# Altium PCB ECSE478 - DAQ Device.PcbDoc (part 1 of 4) (continued)
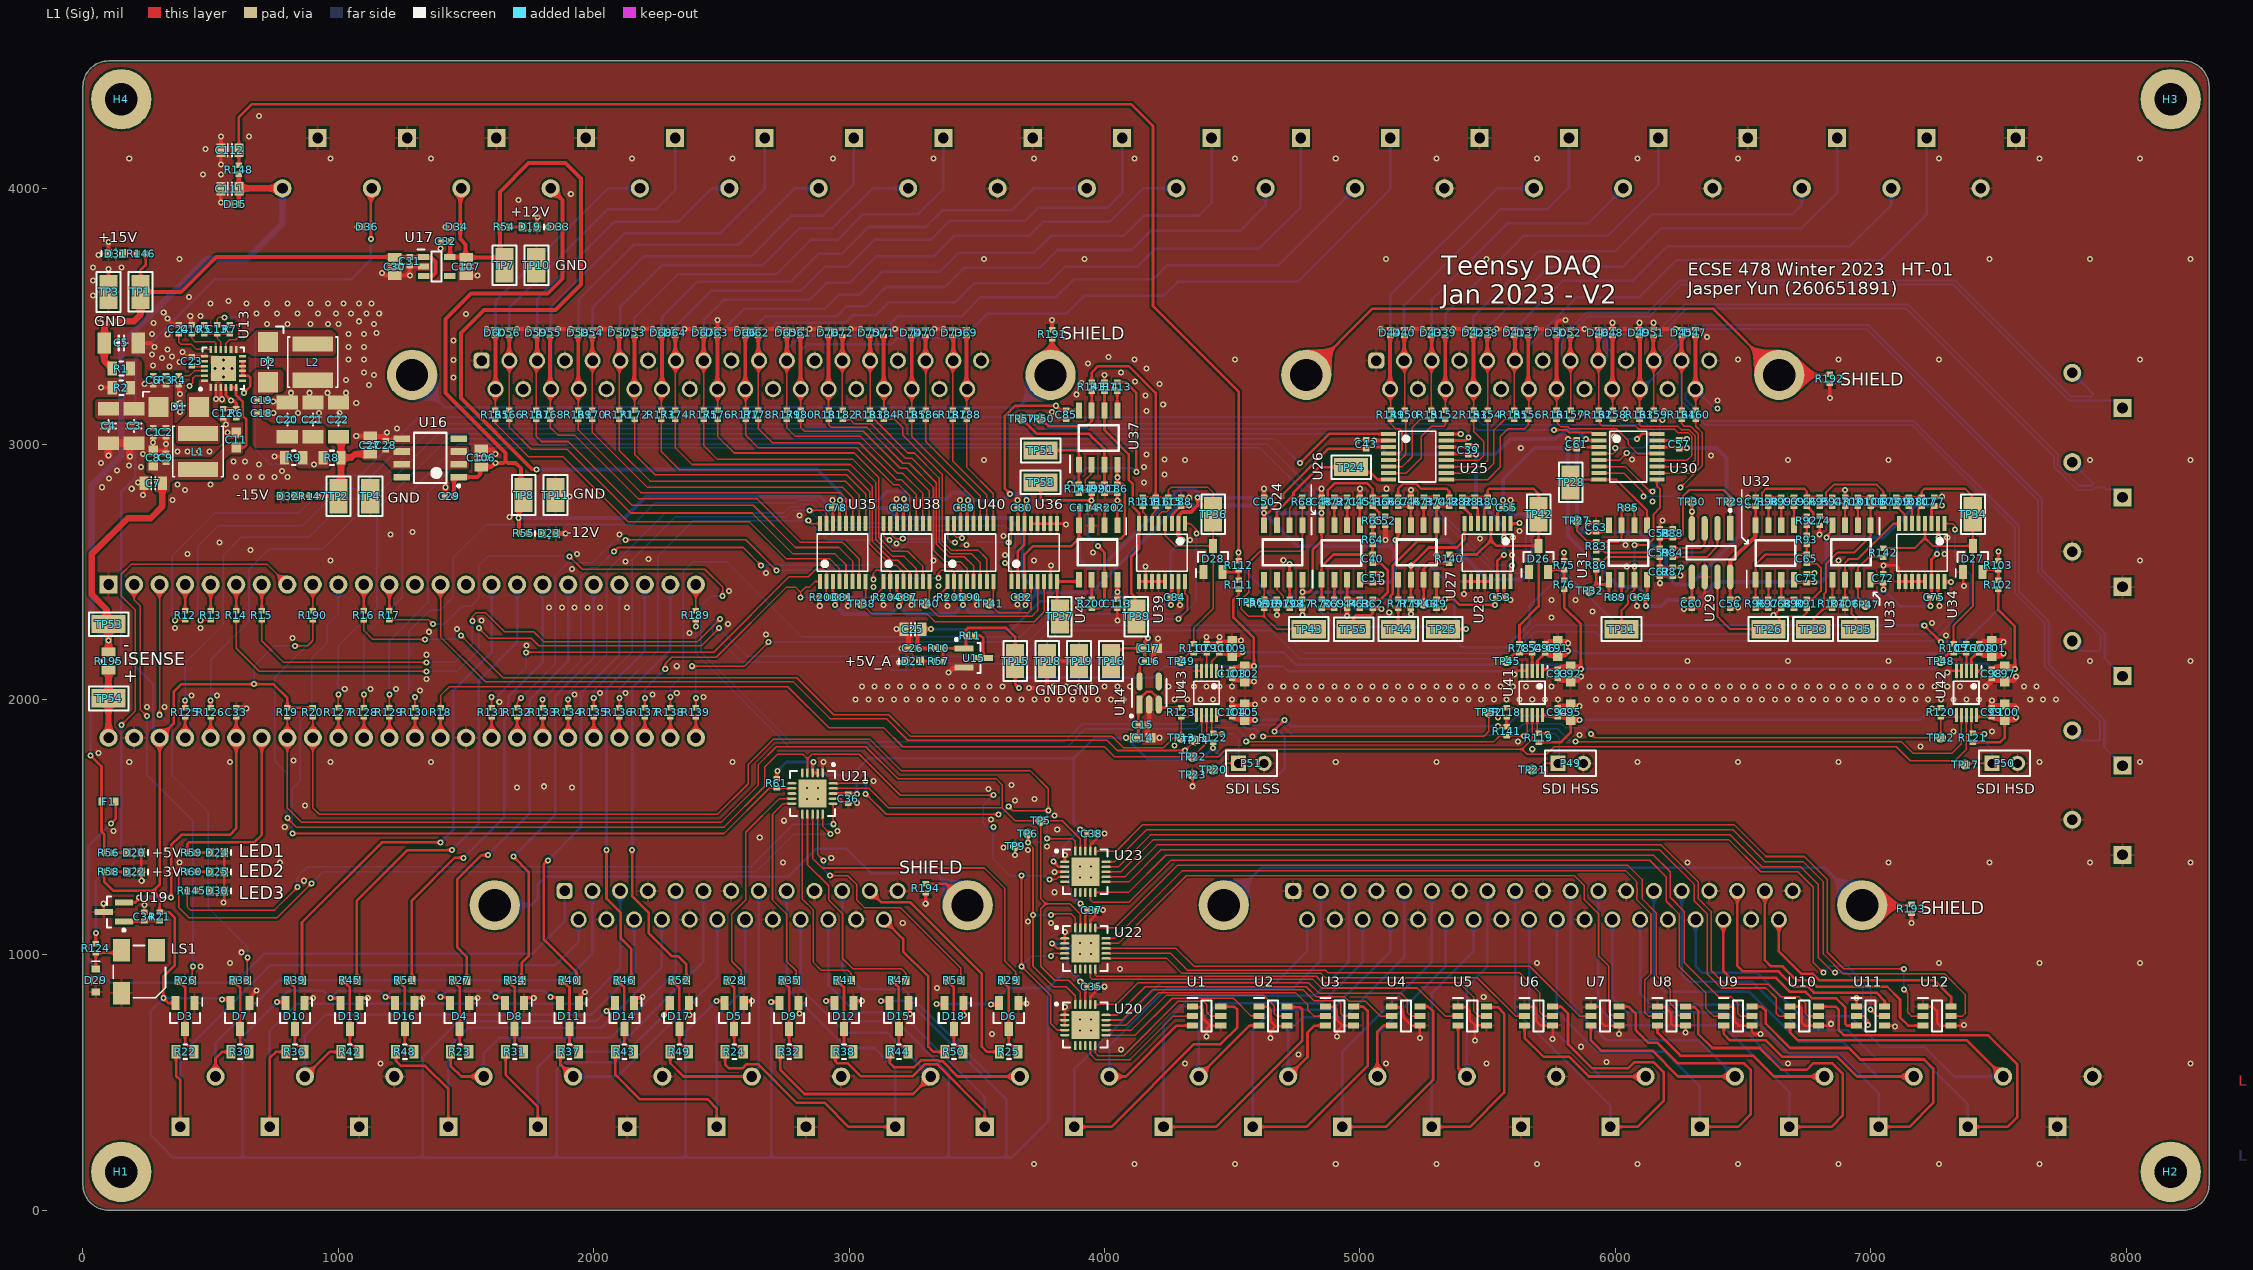
[diagram p0: L1 (Sig) view]
## Components (designator, comment, footprint, x,y, rotation, side; value= is the part's Value field where it differs from the comment) (continued)
R116 "243K00" "0402 RES" 4200,2775 r270 top value=1%
R117 "499K00" "0402 RES" 4150,2775 r270 top value=1%
R118 "10K0" "0402 RES" 5575,1950 r270 top value=1%
R119 "10K0" "0402 RES" 5700,1850 r270 top value=1%
R120 "10K0" "0402 RES" 7275,1950 r90 top value=1%
R121 "10K0" "0402 RES" 7400,1850 r270 top value=1%
R122 "10K0" "0402 RES" 4425,1850 r270 top value=1%
R123 "10K0" "0402 RES" 4300,1950 r90 top value=1%
R124 "220R" "0402 RES" 50,1025 r270 top
R125 "33R" "0402 RES" 400,1950 r90 top value=1%
R126 "33R" "0402 RES" 500,1950 r90 top value=1%
R127 "33R" "0402 RES" 1000,1950 r90 top value=1%
R128 "33R" "0402 RES" 1100,1950 r90 top value=1%
R129 "33R" "0402 RES" 1200,1950 r90 top value=1%
R130 "33R" "0402 RES" 1300,1950 r90 top value=1%
R131 "33R" "0402 RES" 1600,1950 r90 top value=1%
R132 "33R" "0402 RES" 1700,1950 r90 top value=1%
R133 "33R" "0402 RES" 1800,1950 r90 top value=1%
R134 "33R" "0402 RES" 1900,1950 r90 top value=1%
R135 "33R" "0402 RES" 2000,1950 r90 top value=1%
R136 "33R" "0402 RES" 2100,1950 r90 top value=1%
R137 "33R" "0402 RES" 2200,1950 r90 top value=1%
R138 "33R" "0402 RES" 2300,1950 r90 top value=1%
R139 "33R" "0402 RES" 2400,1950 r90 top value=1%
R140 "33R" "0402 RES" 5350,2550 r270 top value=1%
R141 "10K0" "0402 RES" 5575,1875 r90 top value=1%
R142 "33R" "0402 RES" 7050,2575 r90 top value=1%
R143 "33R" "0402 RES" 3950,3225 r90 top value=1%
R144 "10K0" "0402 RES" 3900,2825 r270 top value=1%
R145 "1K00" "0402 RES" 425,1250 r180 top value=1%
R146 "10K0" "0402 RES" 227.56,3745.87 r0 top value=1%
R147 "10K0" "0402 RES" 902.56,2795.87 r0 top value=1%
R148 "100R" "0402 RES" 610.43,4075 r90 top value=1%
R149 "2K20" "0402 RES" 5120,3115 r270 top value=1%
R150 "2K20" "0402 RES" 5175,3115 r270 top value=1%
R151 "2K20" "0402 RES" 5280,3115 r270 top value=1%
R152 "2K20" "0402 RES" 5335,3115 r270 top value=1%
R153 "2K20" "0402 RES" 5445,3115 r270 top value=1%
R154 "2K20" "0402 RES" 5500,3115 r270 top value=1%
R155 "2K20" "0402 RES" 5605,3115 r270 top value=1%
R156 "2K20" "0402 RES" 5660,3115 r270 top value=1%
R157 "2K20" "0402 RES" 5825,3115 r270 top value=1%
R158 "2K20" "0402 RES" 5990,3115 r270 top value=1%
R159 "2K20" "0402 RES" 6150,3115 r270 top value=1%
R160 "2K20" "0402 RES" 6315,3115 r270 top value=1%
R161 "2K20" "0402 RES" 5770,3115 r270 top value=1%
R162 "2K20" "0402 RES" 5935,3115 r270 top value=1%
R163 "2K20" "0402 RES" 6095,3115 r270 top value=1%
R164 "2K20" "0402 RES" 6260,3115 r270 top value=1%
R165 "2K20" "0402 RES" 1615,3115 r270 top value=1%
R166 "2K20" "0402 RES" 1670,3115 r270 top value=1%
R167 "2K20" "0402 RES" 1775,3115 r270 top value=1%
R168 "2K20" "0402 RES" 1830,3115 r270 top value=1%
R169 "2K20" "0402 RES" 1940,3115 r270 top value=1%
R170 "2K20" "0402 RES" 1995,3115 r270 top value=1%
R171 "2K20" "0402 RES" 2100,3115 r270 top value=1%
R172 "2K20" "0402 RES" 2160,3115 r270 top value=1%
R173 "2K20" "0402 RES" 2265,3115 r270 top value=1%
R174 "2K20" "0402 RES" 2320,3115 r270 top value=1%
R175 "2K20" "0402 RES" 2430,3115 r270 top value=1%
R176 "2K20" "0402 RES" 2485,3115 r270 top value=1%
R177 "2K20" "0402 RES" 2595,3115 r270 top value=1%
R178 "2K20" "0402 RES" 2645,3115 r270 top value=1%
R179 "2K20" "0402 RES" 2755,3115 r270 top value=1%
R180 "2K20" "0402 RES" 2810,3115 r270 top value=1%
R181 "2K20" "0402 RES" 2920,3115 r270 top value=1%
R182 "2K20" "0402 RES" 2975,3115 r270 top value=1%
R183 "2K20" "0402 RES" 3080,3115 r270 top value=1%
R184 "2K20" "0402 RES" 3135.98,3115 r270 top value=1%
R185 "2K20" "0402 RES" 3245,3115 r270 top value=1%
R186 "2K20" "0402 RES" 3300,3115 r270 top value=1%
R187 "2K20" "0402 RES" 3405,3115 r270 top value=1%
R188 "2K20" "0402 RES" 3460,3115 r270 top value=1%
R189 "33R" "0402 RES" 2400,2330 r90 top value=1%
R190 "10K0" "0402 RES" 900,2330 r90 top value=1%
R191 "0R" "0402 RES" 3795,3430 r90 top value=1%
R192 "0R" "0402 RES" 6840,3255 r270 top value=1%
R193 "0R" "0402 RES" 7160,1180 r270 top value=1%
R194 "0R" "0402 RES" 3300,1260 r270 top value=1%
R195 "0R020" "0805 RES" 100,2150 r90 top value=1%
R196 "10K0" "0402 RES" 4625,2375 r270 top value=1%
R197 "10K0" "0402 RES" 4675,2375 r90 top value=1%
R198 "10K0" "0402 RES" 4725,2375 r270 top value=1%
R199 "10K0" "0402 RES" 3950,2825 r270 top value=1%
R200 "2K20" "0402 RES" 3950,2375 r90 top value=1%
R201 "10K0" "0402 RES" 4000,2825 r90 top value=1%
R202 "2K20" "0402 RES" 4025,2750 r180 top value=1%
R203 "10K0" "0402 RES" 2900,2400 r180 top value=1%
R204 "10K0" "0402 RES" 3150,2400 r180 top value=1%
R205 "10K0" "0402 RES" 3400,2400 r180 top value=1%
TP1 "Test Point - Keystone 5015" "Test Point Keystone 5015" 225,3595.87 r90 top
TP2 "Test Point - Keystone 5015" "Test Point Keystone 5015" 1000,2795.87 r90 top
TP3 "Test Point - Keystone 5015" "Test Point Keystone 5015" 100,3595.87 r270 top
TP4 "Test Point - Keystone 5015" "Test Point Keystone 5015" 1125,2795.87 r90 top
TP5 "Test Point - SMD Pad" "TEST POINT SMD PAD" 3750,1525 r90 top
TP6 "Test Point - SMD Pad" "TEST POINT SMD PAD" 3700,1475 r90 top
TP7 "Test Point - Keystone 5015" "Test Point Keystone 5015" 1650,3700 r90 top
TP8 "Test Point - Keystone 5015" "Test Point Keystone 5015" 1725,2800 r90 top
TP9 "Test Point - SMD Pad" "TEST POINT SMD PAD" 3650,1425 r90 top
TP10 "Test Point - Keystone 5015" "Test Point Keystone 5015" 1775,3700 r90 top
TP11 "Test Point - Keystone 5015" "Test Point Keystone 5015" 1850,2800 r90 top
TP12 "Test Point - SMD Pad" "TEST POINT SMD PAD" 7275,1850 r90 top
TP13 "Test Point - SMD Pad" "TEST POINT SMD PAD" 4300,1850 r90 top
TP14 "Test Point - SMD Pad" "TEST POINT SMD PAD" 4355,1840 r90 top
TP15 "Test Point - Keystone 5015" "Test Point Keystone 5015" 3650,2150 r90 top
TP16 "Test Point - Keystone 5015" "Test Point Keystone 5015" 4025,2150 r90 top
TP17 "Test Point - SMD Pad" "TEST POINT SMD PAD" 7370,1745 r90 top
TP18 "Test Point - Keystone 5015" "Test Point Keystone 5015" 3775,2150 r90 top
TP19 "Test Point - Keystone 5015" "Test Point Keystone 5015" 3900,2150 r90 top
TP20 "Test Point - SMD Pad" "TEST POINT SMD PAD" 4425,1725 r90 top
TP21 "Test Point - SMD Pad" "TEST POINT SMD PAD" 5675,1725 r90 top
TP22 "Test Point - SMD Pad" "TEST POINT SMD PAD" 4345,1775 r90 top
TP23 "Test Point - SMD Pad" "TEST POINT SMD PAD" 4345,1705 r90 top
TP24 "Test Point - Keystone 5015" "Test Point Keystone 5015" 4965,2910 r0 top
TP25 "Test Point - Keystone 5015" "Test Point Keystone 5015" 5325,2275 r180 top
TP26 "Test Point - Keystone 5015" "Test Point Keystone 5015" 6600,2275 r180 top
TP27 "Test Point - SMD Pad" "TEST POINT SMD PAD" 5850,2700 r90 top
TP28 "Test Point - Keystone 5015" "Test Point Keystone 5015" 5825,2850 r90 top
TP29 "Test Point - SMD Pad" "TEST POINT SMD PAD" 6450,2775 r0 top
TP30 "Test Point - SMD Pad" "TEST POINT SMD PAD" 6300,2775 r0 top
TP31 "Test Point - Keystone 5015" "Test Point Keystone 5015" 6025,2275 r180 top
TP32 "Test Point - SMD Pad" "TEST POINT SMD PAD" 5900,2425 r90 top
TP33 "Test Point - Keystone 5015" "Test Point Keystone 5015" 6775,2275 r180 top
TP34 "Test Point - Keystone 5015" "Test Point Keystone 5015" 7400,2725 r90 top
TP35 "Test Point - Keystone 5015" "Test Point Keystone 5015" 6950,2275 r180 top
TP36 "Test Point - Keystone 5015" "Test Point Keystone 5015" 4425,2725 r90 top
TP37 "Test Point - Keystone 5015" "Test Point Keystone 5015" 3825,2325 r270 top
TP38 "Test Point - SMD Pad" "TEST POINT SMD PAD" 3050,2375 r90 top
TP39 "Test Point - Keystone 5015" "Test Point Keystone 5015" 4125,2325 r270 top
TP40 "Test Point - SMD Pad" "TEST POINT SMD PAD" 3300,2375 r90 top
TP41 "Test Point - SMD Pad" "TEST POINT SMD PAD" 3550,2375 r90 top
TP42 "Test Point - Keystone 5015" "Test Point Keystone 5015" 5700,2725 r90 top
TP43 "Test Point - Keystone 5015" "Test Point Keystone 5015" 4800,2275 r180 top
TP44 "Test Point - Keystone 5015" "Test Point Keystone 5015" 5150,2275 r180 top
TP45 "Test Point - SMD Pad" "TEST POINT SMD PAD" 5575,2150 r90 top
TP46 "Test Point - SMD Pad" "TEST POINT SMD PAD" 5250,2375 r90 top
TP47 "Test Point - SMD Pad" "TEST POINT SMD PAD" 6980,2370 r90 top
TP48 "Test Point - SMD Pad" "TEST POINT SMD PAD" 7275,2150 r90 top
TP49 "Test Point - SMD Pad" "TEST POINT SMD PAD" 4300,2150 r90 top
TP50 "Test Point - SMD Pad" "TEST POINT SMD PAD" 3750,3100 r90 top
TP51 "Test Point - Keystone 5015" "Test Point Keystone 5015" 3750,2975 r0 top
TP52 "Test Point - SMD Pad" "TEST POINT SMD PAD" 5505,1950 r90 top
TP53 "Test Point - Keystone 5015" "Test Point Keystone 5015" 100,2295 r0 top
TP54 "Test Point - Keystone 5015" "Test Point Keystone 5015" 100,2004.57 r0 top
TP55 "Test Point - Keystone 5015" "Test Point Keystone 5015" 4975,2275 r0 top
TP56 "Test Point - SMD Pad" "TEST POINT SMD PAD" 4570,2380 r270 top
TP57 "Test Point - SMD Pad" "TEST POINT SMD PAD" 3675,3100 r90 top
TP58 "Test Point - Keystone 5015" "Test Point Keystone 5015" 3750,2850 r180 top
U1 "NUD3160DMT1G" SOT23-6 4400,760 r0 top
U2 "NUD3160DMT1G" SOT23-6 4660,760 r0 top
U3 "NUD3160DMT1G" SOT23-6 4920,760 r0 top
U4 "NUD3160DMT1G" SOT23-6 5180,760 r0 top
U5 "NUD3160DMT1G" SOT23-6 5440,760 r0 top
U6 "NUD3160DMT1G" SOT23-6 5700,760 r0 top
U7 "NUD3160DMT1G" SOT23-6 5960,760 r0 top
U8 "NUD3160DMT1G" SOT23-6 6220,760 r0 top
U9 "NUD3160DMT1G" SOT23-6 6480,760 r0 top
U10 "NUD3160DMT1G" SOT23-6 6740,760 r0 top
U11 "NUD3160DMT1G" SOT23-6 7000,760 r0 top
U12 "NUD3160DMT1G" SOT23-6 7260,760 r0 top
U13 "TPS65131RGER" VQFN-24 550,3295.87 r90 top
U14 "TLV74118PDBVR" FP-DBV0005A-IPC_A 4175,2025 r90 top
U15 "ADR5045BRTZ-REEL7" ADI-RT-3_M 3487.8,2162.2 r0 top
U16 "MC79L12ACDR" D0008A_M 1360,2945.87 r180 top
U17 "LDK320AM120R" SOT23-5 1385,3695 r0 top
U18 "Teensy 4.1" "Teensy 4.1" 1250,2150 r270 bottom
U19 "MCP9700T-E/TT" SOT-23-TT3_M 120.63,1167.4 r180 top
U20 "MCP23008-E/ML" QFN-ML20_M 3925,725 r0 top
U21 "MCP23008-E/ML" QFN-ML20_M 2856.65,1631.65 r270 top
U22 "MCP23008-E/ML" QFN-ML20_M 3925,1025 r0 top
U23 "MCP23008-E/ML" QFN-ML20_M 3925,1325 r0 top
U24 "TLV2172IDR" SOIC-8 4700,2575 r180 top
U25 "DG408DQ-T1-E3" TSSOP-16 5225,2950 r270 top
U26 "TLV2172IDR" SOIC-8 4925,2575 r0 top
U27 "TLV2172IDR" SOIC-8 5225,2575 r180 top
U28 "DG409DQ-E3" TSSOP-16 5500,2575 r180 top
U29 "INA821IDR" FP-D0008A-IPC_A 6375,2575 r270 top
U30 "DG409DQ-E3" TSSOP-16 6050,2950 r270 top
U31 "TLV2172IDR" SOIC-8 6050,2575 r0 top
U32 "TLV2172IDR" SOIC-8 6625,2575 r0 top
U33 "TLV2172IDR" SOIC-8 6925,2575 r180 top
U34 "DG409DQ-E3" TSSOP-16 7200,2575 r180 top
U35 "DG408DQ-T1-E3" TSSOP-16 2975,2575 r0 top
U36 "DG409DQ-E3" TSSOP-16 3725,2575 r0 top
U37 "TLV2172IDR" SOIC-8 3975,3025 r0 top
U38 "DG408DQ-T1-E3" TSSOP-16 3225,2575 r0 top
U39 "DG409DQ-E3" TSSOP-16 4225,2575 r180 top
U40 "DG408DQ-T1-E3" TSSOP-16 3475,2575 r0 top
U41 "MCP33151-10-E/MS" MSOP-10 5675,2025 r180 top
U42 "MCP33151-10-E/MS" MSOP-10 7375,2025 r180 top
U43 "MCP33151-10-E/MS" MSOP-10 4400,2025 r180 top
U44 "TLV2172IDR" SOIC-8 3975,2575 r180 top

## Footprints (in the part's own frame and the unit in brackets; to place one, negate y for a bottom-side part, rotate by r counter-clockwise, add the part's x,y. Pads: shape width x height; smd on the part's side, far side on the other; paste and mask are expansions set on the pad)
"0402 CAP" [mm] "0402 (1005 METRIC) CAPACITOR"
  rect 0.55x0.65 smd: 1(-0.445,0) 2(0.445,0)
  body extent -0.52,-0.25 0.53,0.3, height 0.55
"0402 RES" [mm] "0402 (1005 METRIC) RESISTOR"
  rect 0.55x0.65 smd: 1(-0.445,0) 2(0.445,0)
  body extent -0.49,-0.25 0.51,0.25, height 0.25
"0603 CAP SAMSUNG CL10C" [mm]
  rect 1x0.95 smd: 1(-0.75,0) 2(0.75,0)
  body extent -0.85,-0.45 0.85,0.45, height 0.9
"0603 LED" [mm] "0603 (1608 METRIC) LED"
  rect 0.75x0.9 smd: 1(-0.7,0) 2(0.7,0)
  silkscreen extent -0.1,-0.41 1.4,0.41, body extent -0.8,-0.4 0.81,0.4, height 0.74
"0603 RES" [mm] "0603 (1608 METRIC) RESISTOR"
  rect 0.75x0.9 smd: 1(-0.7,0) 2(0.7,0)
  body extent -0.8,-0.43 0.8,0.43, height 0.48
"0805 CAP" [mm] "0805 (2012 METRIC) CAPACITOR"
  rect 0.9x1.35 smd: 1(-0.9,0) 2(0.9,0)
  silkscreen extent -0.2,-0.64 0.2,0.64, body extent -1,-0.67 1,0.67, height 1
"0805 RES" [mm] "0805 (2012 METRIC) RESISTOR"
  rect 0.9x1.35 smd: 1(-0.9,0) 2(0.9,0)
  silkscreen extent -0.18,-0.71 0.2,0.71, body extent -0.97,-0.62 1.03,0.62, height 0.6
"1206 CAP" [mm] "1206 (3216 METRIC) CAPACITOR"
  rect 1.35x2.1 smd: 1(-1.7,0) 2(1.7,0)
  silkscreen extent -0.61,-0.76 0.61,0.76, body extent -1.7,-0.9 1.7,0.9, height 1
ADI-RT-3_M [mm] "SOT23, 3-Leads, Body 2.9x1.3mm, Pitch 0.96mm, IPC Low Density"
  rect 1.9x0.6 smd: 1(-0.96,0.96) 2(-0.96,-0.96) 3(0.96,0)
  silkscreen extent -1.85,-1.5 0.7,1.97, body extent -0.7,-1.52 0.7,1.52, height 1.12
"Buzzer SMT-0540-T-9-R" [mm] "SMD 5x5 mm buzzer"
  rect 2.25x1.7 smd: 1(0,0) 2(4.25,0) 3(0,3.5)
  silkscreen extent -0.5,-0.8 4.7,4.4, body extent -0.5,-0.8 4.7,4.4, height 2.06
"Connector DB25 Vertical LD25S24A4GV00LF" [mm] "DB25 LD25S24A4GV00LF Amphenol ICC"
  rrect50% 1.6x1.6 hole 1.05: 1(-1.42,16.56)
  round 1.6 hole 1.05: 2(-1.42,13.8) 3(-1.42,11.04) 4(-1.42,8.28) 5(-1.42,5.52) 6(-1.42,2.76) 7(-1.42,0) 8(-1.42,-2.76) 9(-1.42,-5.52) 10(-1.42,-8.28) 11(-1.42,-11.04) 12(-1.42,-13.8) 13(-1.42,-16.56) 14(1.42,15.18) 15(1.42,12.42) 16(1.42,9.66) 17(1.42,6.9) 18(1.42,4.14) 19(1.42,1.38) 20(1.42,-1.38) 21(1.42,-4.14) 22(1.42,-6.9) 23(1.42,-9.66) 24(1.42,-12.42) 25(1.42,-15.18)
  round 5 hole 3.2: 26(0,23.52) 27(0,-23.52)
  silkscreen extent -6.4,-26.56 6.2,26.42, body extent -6.29,-26.54 6.26,26.5, height 12.45
"Connector DB37 Vertical LD37S24A4GV00LF" [mm] "DB37 LD37S24A4GV00LF Amphenol ICC"
  rrect50% 1.6x1.6 hole 1.05: 1(-1.42,24.84)
  round 1.6 hole 1.05: 2(-1.42,22.08) 3(-1.42,19.32) 4(-1.42,16.56) 5(-1.42,13.8) 6(-1.42,11.04) 7(-1.42,8.28) 8(-1.42,5.52) 9(-1.42,2.76) 10(-1.42,0) 11(-1.42,-2.76) 12(-1.42,-5.52) 13(-1.42,-8.28) 14(-1.42,-11.04) 15(-1.42,-13.8) 16(-1.42,-16.56) 17(-1.42,-19.32) 18(-1.42,-22.08) 19(-1.42,-24.84) 20(1.42,23.46) 21(1.42,20.7) 22(1.42,17.94) 23(1.42,15.18) 24(1.42,12.42) 25(1.42,9.66) 26(1.42,6.9) 27(1.42,4.14) 28(1.42,1.38) 29(1.42,-1.38) 30(1.42,-4.14) 31(1.42,-6.9) 32(1.42,-9.66) 33(1.42,-12.42) 34(1.42,-15.18) 35(1.42,-17.94) 36(1.42,-20.7) 37(1.42,-23.46)
  round 5 hole 3.2: 38(0,31.75) 39(0,-31.75)
  silkscreen extent -6.4,-34.8 6.2,34.7, body extent -6.27,-34.78 6.28,34.72, height 12.45
D0008A_M [mm] "SOIC, 8-Leads, Body 5x4mm, Pitch 1.27mm, IPC Low Density"
  rrect15% 1.65x0.65 smd: 1(-2.825,1.905) 2(-2.825,0.635) 3(-2.825,-0.635) 4(-2.825,-1.905) 5(2.825,-1.905) 6(2.825,-0.635) 7(2.825,0.635) 8(2.825,1.905)
  silkscreen extent -2.95,-2.5 1.6,2.9, body extent -3,-2.45 3,2.45, height 1.63
DFN1006-2 [mm] "D12V0L1B2LP-7B ESD diode 0402 size"
  rect 0.4x0.7 smd: 1(0,0) 2(0.7,0)
  body extent -0.15,-0.3 0.85,0.3, height 0.53
"Diode SMA" [mm] "SMA Diode (Schottky)"
  rect 2x2 smd: 1(-2,0) 2(2,0)
  body extent -2.6,-1.35 2.61,1.25, height 2.21
"Diode SOD323-F" [mm]
  rect 0.7x0.83 smd: 1(-1.15,0) 2(1.15,0)
  silkscreen extent -0.35,-0.4 0.35,0.4, body extent -1.2,-0.68 1.3,0.67, height 1
FP-D0008A-IPC_A [mil]
  rect 97.21x24.49 smd paste+0 mask+0: 1(-95.02,75)
  rrect100% 97.21x24.49 smd paste+0 mask+0: 2(-95.02,25) 3(-95.02,-25) 4(-95.02,-75) 5(95.02,-75) 6(95.02,-25) 7(95.02,25) 8(95.02,75)
  silkscreen extent -170,-97 27,97, body extent -163,-116 163,116, height 10
FP-DBV0005A-IPC_A [mm]
  rect 1.805x0.612 smd paste+0 mask+0: 1(-1.15,0.95)
  rrect100% 1.805x0.612 smd paste+0 mask+0: 2(-1.15,0) 3(-1.15,-0.95) 4(1.15,-0.95) 5(1.15,0.95)
  silkscreen extent -2.41,-1.7 1.4,1.9, body extent -2.55,-1.95 2.55,1.95, height 0.25
"FUSE THERMAL 0603 PTS060315V005" [mm]
  rect 0.6x0.8 smd: 1(-0.7,0) 2(0.7,0)
  body extent -0.8,-0.43 0.8,0.43, height 0.52
HDR1X2 [mm] "Connector; Header; 2 Position"
  rect 1.5x1.5 hole 0.9: 1(0,0)
  round 1.5 hole 0.9: 2(2.54,0)
  silkscreen extent -1.27,-1.27 3.81,1.27
"HOLE M3" [mm]
  round 6 hole 3.2: 1(0,0)
"Inductor BWVS005050403R3M00" [mm] "505040 Inductor SMD"
  rect 4x1.5 smd: 1(0,-1.8) 2(0,1.8)
  silkscreen extent -2.5,-2.5 2.5,2.5, body extent -2.5,-2.5 2.5,2.5, height 4
MSOP-10 [mm]
  rect 0.3x1.4 smd: 1(-1,-2.2) 2(-0.5,-2.2) 3(0,-2.2) 4(0.5,-2.2) 5(1,-2.2) 6(1,2.2) 7(0.5,2.2) 8(0,2.2) 9(-0.5,2.2) 10(-1,2.2)
  silkscreen extent -1.51,-2.71 1.29,1.1, body extent -1.48,-2.49 1.52,2.41, height 1.15
QFN-ML20_M [mm] "QFN, 20-Leads, Body 4x4mm, Pitch 0.5mm, Thermal Pad 2.8x2.8mm, IPC Low Density"
  oval 0.9x0.25 smd: 1(-2.05,1) 2(-2.05,0.5) 3(-2.05,0) 4(-2.05,-0.5) 5(-2.05,-1) 11(2.05,-1) 12(2.05,-0.5) 13(2.05,0) 14(2.05,0.5) 15(2.05,1)
  oval 0.25x0.9 smd: 6(-1,-2.05) 7(-0.5,-2.05) 8(0,-2.05) 9(0.5,-2.05) 10(1,-2.05) 16(1,2.05) 17(0.5,2.05) 18(0,2.05) 19(-0.5,2.05) 20(-1,2.05)
  rect 2.8x2.8 smd: 21(0,0)
  silkscreen extent -3,-2.22 2.23,2.23, body extent -2.07,-2.07 2.08,2.08, height 1
SOIC-8 [mm]
  rect 0.6x1.55 smd: 1(-1.905,-2.7) 2(-0.635,-2.7) 3(0.635,-2.7) 4(1.905,-2.7) 5(1.905,2.7) 6(0.635,2.7) 7(-0.635,2.7) 8(-1.905,2.7)
  silkscreen extent -2.8,-3.46 2.03,1.24, body extent -2.45,-3.03 2.45,2.97, height 1.75
SOT23-3 [mm]
  rect 1.4x0.8 smd: 1(-1.3,0.95) 2(-1.3,-0.95) 3(1.3,0)
  silkscreen extent -1.8,-1.5 0.7,1.7, body extent -1.25,-1.5 1.25,1.5, height 1.1
SOT23-5 [mm]
  rect 1.1x0.6 smd: 1(-1.3,0.95) 2(-1.3,0) 3(-1.3,-0.95) 4(1.3,-0.95) 5(1.3,0.95)
  silkscreen extent -1.9,-1.5 0.5,1.7, body extent -1.5,-1.52 1.5,1.53, height 1.45
SOT23-6 [mm]
  rect 1.1x0.6 smd: 1(-1.4,0.95) 2(-1.4,0) 3(-1.4,-0.95) 4(1.4,-0.95) 5(1.4,0) 6(1.4,0.95)
  silkscreen extent -1.9,-1.55 0.5,1.8, body extent -1.7,-1.55 1.7,1.55, height 1.45
SOT-23-TT3_M [mm] "SOT23, 3-Leads, Body 2.9x1.3mm, Pitch 0.95mm, Lead Span 2.4mm, IPC Low Density"
  rect 1.8x0.6 smd: 1(-1,0.95) 2(-1,-0.95) 3(1,0)
  silkscreen extent -1.13,-1.55 0.7,1.92, body extent -0.7,-1.52 0.7,1.53, height 1.12
"Teensy 4.1" [mm]
  rect 1.8x1.8 hole 1.05: 1(-7.62,29.21)
  round 1.8 hole 1.05: 2(-7.62,26.67) 3(-7.62,24.13) 4(-7.62,21.59) 5(-7.62,19.05) 6(-7.62,16.51) 7(-7.62,13.97) 8(-7.62,11.43) 9(-7.62,8.89) 10(-7.62,6.35) 11(-7.62,3.81) 12(-7.62,1.27) 13(-7.62,-1.27) 14(-7.62,-3.81) 15(-7.62,-6.35) 16(-7.62,-8.89) 17(-7.62,-11.43) 18(-7.62,-13.97) 19(-7.62,-16.51) 20(-7.62,-19.05) 21(-7.62,-21.59) 22(-7.62,-24.13) 23(-7.62,-26.67) 24(-7.62,-29.21) 25(7.62,-29.21) 26(7.62,-26.67) 27(7.62,-24.13) 28(7.62,-21.59) 29(7.62,-19.05) 30(7.62,-16.51) 31(7.62,-13.97) 32(7.62,-11.43) 33(7.62,-8.89) 34(7.62,-6.35) 35(7.62,-3.81) 36(7.62,-1.27) 37(7.62,1.27) 38(7.62,3.81) 39(7.62,6.35) 40(7.62,8.89) 41(7.62,11.43) 42(7.62,13.97) 43(7.62,16.51) 44(7.62,19.05) 45(7.62,21.59) 46(7.62,24.13) 47(7.62,26.67) 48(7.62,29.21)
  silkscreen extent -5.08,-30.48 5.08,30.48, body extent -8.86,-34.58 8.92,31.98, height 7.1
"Terminal Block 1985195 2-pos 3.5mm pitch" [mm]
  rect 1.8x1.8 hole 1.05: 1(1.75,-2.5)
  round 1.8 hole 1.05: 2(-1.75,2.5)
  silkscreen extent -5.01,-7.12 3.6,4.89, body extent -5,-7.13 3.5,4.87, height 13.1
"Test Point Keystone 5015" [mm]
  rect 3.4x1.8 smd: 1(0,0)
  silkscreen extent -1.96,-1.19 1.98,1.17, body extent -1.33,-0.51 1.33,0.51, height 1.52
"TEST POINT SMD PAD" [mil]
  round 40 smd paste-40 mask+4: 1(0,0)
TSSOP-16 [mm]
  rect 0.4x1.5 smd: 1(-2.275,-2.875) 2(-1.625,-2.875) 3(-0.975,-2.875) 4(-0.325,-2.875) 5(0.325,-2.875) 6(0.975,-2.875) 7(1.625,-2.875) 8(2.275,-2.875) 9(2.275,2.875) 10(1.625,2.875) 11(0.975,2.875) 12(0.325,2.875) 13(-0.325,2.875) 14(-0.975,2.875) 15(-1.625,2.875) 16(-2.275,2.875)
  silkscreen extent -2.53,-1.83 2.5,1.85, body extent -2.51,-3.15 2.49,3.25, height 1.1
VQFN-24 [mm]
  rect 0.7x0.25 smd: 1(-1.9,1.25) 2(-1.9,0.75) 3(-1.9,0.25) 4(-1.9,-0.25) 5(-1.9,-0.75) 6(-1.9,-1.25) 13(1.9,-1.25) 14(1.9,-0.75) 15(1.9,-0.25) 16(1.9,0.25) 17(1.9,0.75) 18(1.9,1.25)
  rect 0.25x0.7 smd: 7(-1.225,-1.9) 8(-0.735,-1.9) 9(-0.245,-1.9) 10(0.245,-1.9) 11(0.735,-1.9) 12(1.225,-1.9) 19(1.225,1.9) 20(0.735,1.9) 21(0.245,1.9) 22(-0.245,1.9) 23(-0.735,1.9) 24(-1.225,1.9)
  rect 2.45x2.45 smd: 25(0,0)
  silkscreen extent -2.15,-2.06 2.08,2.39, body extent -2.04,-2.04 2.06,2.06, height 1.05